# Altium PCB GameBoard_V1I1.PcbDoc (part 17 of 22) (continued)
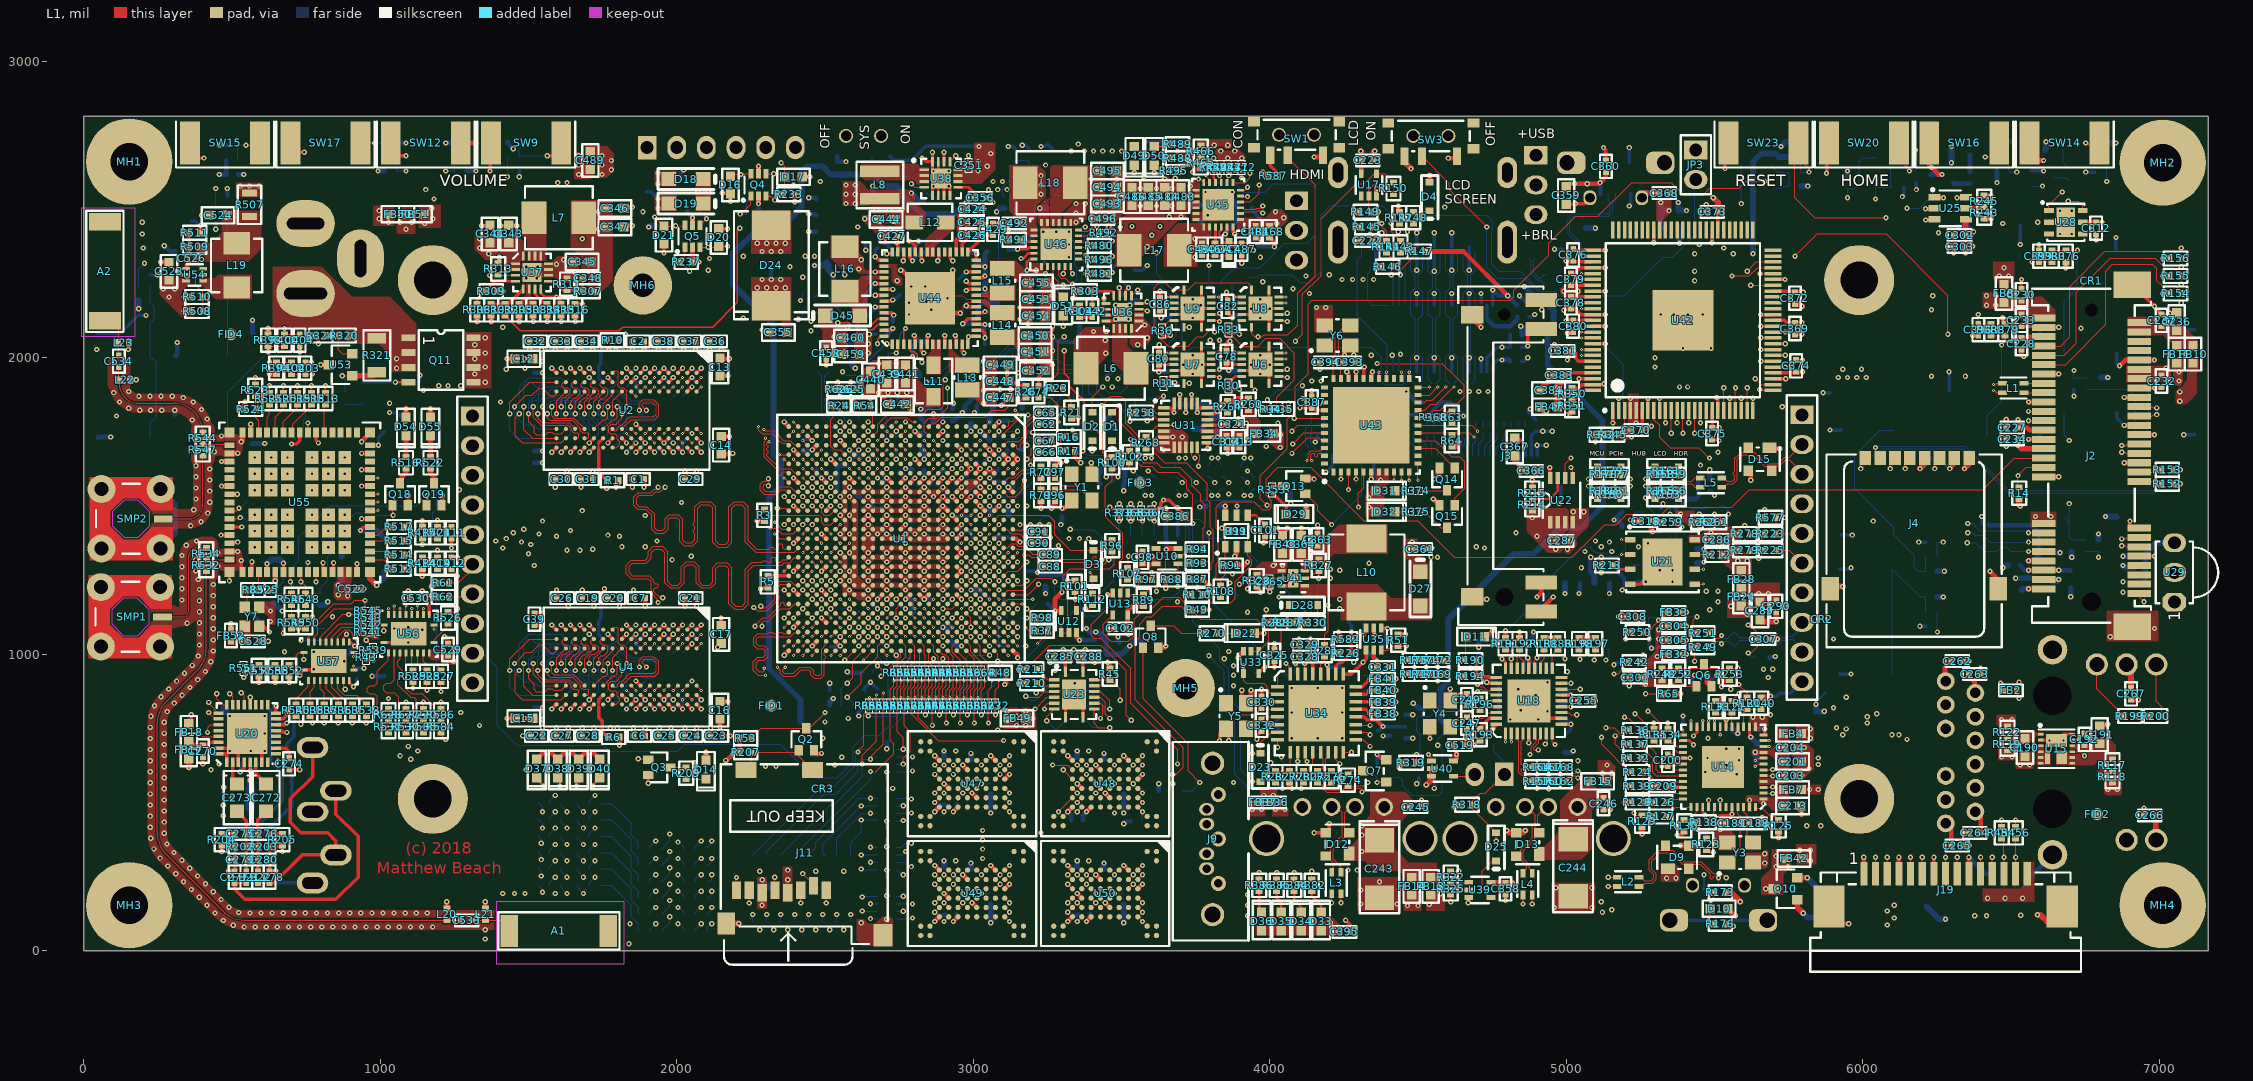
[diagram p0: L1 view]
## Nets (pads, with @x,y where several pads share a name; then routed paths per layer and width w, separated by ;. In a path a pad name is that pad's centre, name@x,y a point inside that pad or via, vN(x,y) a via of type N, cw(c..) or ccw(c..) an arc to the next point about the centre after c; other vN are vias at no path point) (continued)
  L11 w3.15: v6(4578.74,1734.94) v5(4578.74,1783.46)
  L12 w3.15: R344.1@4578.74,1766.34 v5(4578.74,1783.46)
QE5: R346.1 U42.25 | length 1905.4
  L1 w3.15: U42.25@5629.92,1821.85 v2(5629.92,1863.19)
  L10 w3.15: v6(4555.12,1734.94) 4555.12,1710.01 4610.6,1654.53 4914.89,1654.53 4983.27,1722.91 4983.27,1769.48 5014.76,1800.97 5014.76,1831.69 5033.46,1850.39 5142.72,1850.39 5156.5,1864.17 5156.5,1906.5 5162.4,1912.4 5175.2,1912.4 5181.1,1906.5 5181.1,1880.91 5187.01,1875 5198.82,1875 5204.72,1880.91 5204.72,1908.46 5211.61,1915.35 5230.31,1915.35 5236.22,1909.45 5236.22,1849.72 5242.13,1843.81 5253.94,1843.81 5259.84,1849.72 5259.84,1906.5 5265.75,1912.4 5324.8,1912.4 5330.71,1906.5 5330.71,1894.69 5324.8,1888.78 5304.13,1888.78 5296.26,1880.91 5296.26,1849.41 5307.09,1838.58 5337.97,1838.58 5343.87,1844.49 5343.87,1875.8 5349.78,1881.7 5361.59,1881.7 5367.49,1875.8 5367.49,1844.49 5373.4,1838.58 5385.21,1838.58 5391.11,1844.49 5391.11,1872.05 5397.02,1877.95 5408.83,1877.95 5414.74,1872.05 5414.74,1844.49 5420.64,1838.58 5450.17,1838.58 5486.59,1802.17 5580.34,1802.17 5629.92,1851.74 v2(5629.92,1863.19)
  L11 w3.15: v6(4555.12,1734.94) v5(4555.12,1783.46)
  L12 w3.15: R346.1@4555.12,1766.34 v5(4555.12,1783.46)
QE6: R347.1 U42.26 | length 1902
  L1 w3.15: v2(5652.56,1892.72) 5655.51,1889.76 U42.26@5697.83,1889.76
  L10 w3.15: v6(4531.5,1734.94) 4531.5,1722.5 4608.32,1645.67 4813.76,1645.67 4836.4,1623.03 4853.35,1623.03 4875.99,1645.67 4917.17,1645.67 4996.06,1724.57 4996.06,1771.14 5022.64,1797.71 5022.64,1824.8 5038.39,1840.55 5080.71,1840.55 5086.61,1834.65 5086.61,1813.35 5092.52,1807.44 5104.33,1807.44 5110.24,1813.35 5110.24,1834.65 5116.14,1840.55 5131.89,1840.55 5137.8,1834.65 5137.8,1809.05 5143.7,1803.15 5155.51,1803.15 5161.42,1809.05 5161.42,1841.54 5167.32,1847.44 5179.13,1847.44 5185.04,1841.54 5185.04,1809.05 5190.94,1803.15 5202.76,1803.15 5208.66,1809.05 5208.66,1841.54 5214.57,1847.44 5226.38,1847.44 5232.28,1841.54 5232.28,1809.05 5238.19,1803.15 5250,1803.15 5255.91,1809.05 5255.91,1834.65 5261.81,1840.55 5277.56,1840.55 5284.45,1833.66 5284.45,1810.04 5291.34,1803.15 5328.74,1803.15 5334.65,1809.06 5334.65,1825.24 5340.55,1831.15 5352.36,1831.15 5358.27,1825.24 5358.27,1809.06 5364.17,1803.15 5375.98,1803.15 5381.89,1809.06 5381.89,1825.24 5387.8,1831.15 5399.61,1831.15 5405.51,1825.24 5405.51,1809.06 5411.42,1803.15 5423.23,1803.15 5429.13,1809.06 5429.13,1824.8 5435.04,1830.71 5446.85,1830.71 5452.76,1824.8 5452.76,1809.06 5458.66,1803.15 5474.47,1803.15 5486.28,1791.34 5580.65,1791.34 5652.56,1863.25 v2(5652.56,1892.72)
  L11 w3.15: v6(4531.5,1734.94) v5(4531.5,1783.46)
  L12 w3.15: R347.1@4531.5,1766.34 v5(4531.5,1783.46)
QE7: R349.1 U42.27 | length 1902
  L1 w3.15: v2(5637.8,1929.13) 5657.48,1909.45 U42.27@5697.83,1909.45
  L10 w3.15: v6(4507.87,1734.94) 4605.02,1637.8 4810.5,1637.8 4833.14,1615.16 4856.61,1615.16 4879.25,1637.8 4920.43,1637.8 5008.86,1726.23 5049.06,1726.23 5055.12,1732.28 5055.12,1744.09 5049.21,1750 5014.76,1750 5008.86,1755.91 5008.86,1769.69 5034.45,1795.28 5062.99,1795.28 5068.9,1789.37 5068.9,1748.03 5074.8,1742.12 5086.61,1742.12 5092.52,1748.03 5092.52,1789.37 5098.43,1795.28 5110.24,1795.28 5116.14,1789.37 5116.14,1746.84 5122.05,1740.93 5133.86,1740.93 5139.76,1746.84 5139.76,1789.37 5145.67,1795.28 5471.21,1795.28 5486.95,1779.53 5557.09,1779.53 5562.99,1773.62 5562.99,1749.97 5568.9,1744.06 5580.71,1744.06 5586.61,1749.97 5586.61,1773.62 5592.52,1779.53 5606.3,1779.53 5667.32,1840.55 5667.32,1899.61 v2(5637.8,1929.13)
  L11 w3.15: v6(4507.87,1734.94) v5(4507.87,1783.46)
  L12 w3.15: R349.1@4507.87,1766.34 v5(4507.87,1783.46)
QHSYNC: R363.1 U42.48 | length 1902
  L1 w3.15: v1(5610.24,2291.34) 5641.73,2322.83 U42.48@5697.83,2322.83
  L10 w3.15: v6(4283.46,1761.22) 4296.85,1774.61 4564.81,1774.61 4574.65,1764.76 4674.89,1764.76 4693.59,1783.46 4759.84,1783.46 4822.83,1846.46 4822.83,1866.14 4831.69,1875 4831.69,2112.41 4854.33,2135.05 4854.33,2153.54 4973.43,2272.64 5145.67,2272.64 5170.28,2297.24 5406.29,2297.24 5426.96,2276.57 5445.87,2276.57 5460.63,2291.34 5531.5,2291.34 5539.37,2283.46 5539.37,2267.72 5546.26,2260.83 5579.72,2260.83 v1(5610.24,2291.34)
  L11 w3.15: v5(4271.65,1773.03) v6(4283.46,1761.22)
  L12 w3.15: R363.1@4271.65,1755.91 v5(4271.65,1773.03)
QODCK: R362.1 U42.44 | length 1907.1
  L1 w3.15: v1(5622.05,2244.09) U42.44@5697.83,2244.09
  L10 w3.15: v6(4307.09,1761.22) 4316.34,1751.97 4331.69,1751.97 4338.93,1759.2 4355.95,1759.2 4363.19,1751.97 4689.62,1751.97 4711.27,1773.62 4765.75,1773.62 4830.71,1838.58 4830.71,1854.33 4842.52,1866.14 4842.52,2062.99 4866.14,2086.61 4866.14,2147.64 4981.3,2262.8 5398.93,2262.8 5417.63,2244.09 5446.85,2244.09 5452.76,2250 5452.76,2266.36 5458.66,2272.26 5470.47,2272.26 5476.38,2266.36 5476.38,2251.97 5482.28,2246.06 5494.09,2246.06 5500,2251.97 5500,2271.65 5505.91,2277.56 5517.72,2277.56 5523.62,2271.65 5523.62,2250 5529.53,2244.09 v1(5622.05,2244.09)
  L11 w3.15: v5@4295.28,1771.65 v5(4295.28,1773.03) v6(4307.09,1761.22)
  L12 w3.15: R362.1@4295.28,1755.91 v5(4295.28,1773.03)
QR0: R352.1 U42.30 | length 1914.2
  L1 w3.15: U42.30@5697.83,1968.5 v2(5739.17,1968.5)
  L10 w3.15: v6(4862.2,1734.94) 4862.2,1756.06 4918.31,1812.16 4918.31,1841.54 4935.04,1858.27 4935.04,1891.73 4920.28,1906.5 4920.28,1926.18 4937.99,1943.9 4937.99,2050.2 4948.82,2061.02 4967.52,2061.02 4992.13,2036.42 5061.02,2036.42 5067.91,2043.31 5067.91,2080.71 5073.82,2086.61 5086.61,2086.61 5092.52,2080.71 5092.52,2043.31 5099.72,2036.11 5109.93,2036.11 5116.14,2042.32 5116.14,2079.72 5123.03,2086.61 5141.73,2086.61 5153.54,2098.43 5299.21,2098.43 5309.06,2088.58 5320.87,2088.58 5326.77,2094.49 5326.77,2123.39 5332.68,2129.29 5344.49,2129.29 5350.39,2123.39 5350.39,2094.49 5356.3,2088.58 5368.11,2088.58 5374.02,2094.49 5374.02,2123.39 5379.92,2129.29 5391.73,2129.29 5397.64,2123.39 5397.64,2094.49 5403.54,2088.58 5415.35,2088.58 5421.26,2094.49 5421.26,2123.39 5427.17,2129.29 5438.98,2129.29 5444.88,2123.39 5444.88,2094.49 5450.79,2088.58 5462.6,2088.58 5472.44,2098.43 5560.04,2098.43 5579.72,2078.74 5579.72,2048.23 5618.11,2009.84 5618.11,1996.06 5645.67,1968.5 5645.67,1942.14 5651.57,1936.23 5663.39,1936.23 5669.29,1942.14 5669.29,1980.83 5675.2,1986.73 5687.01,1986.73 5692.91,1980.83 5692.91,1914.41 5698.82,1908.5 5710.63,1908.5 5716.54,1914.41 5716.54,1962.6 5722.44,1968.5 v2(5739.17,1968.5) ; 4918.46,1828.12 4918.46,1839.93
  L11 w3.15: v6(4862.2,1734.94) v5(4862.2,1783.46)
  L12 w3.15: R352.1@4862.21,1766.34 v5(4862.2,1783.46)
QR1: R354.1 U42.31 | length 1906.5
  L1 w3.15: v2(5656.5,1988.19) U42.31@5697.83,1988.19
  L10 w3.15: v6(4838.58,1734.94) 4838.58,1743.58 4909.45,1814.44 4909.45,1931.1 4927.17,1948.82 4927.17,2052.99 4945.87,2071.69 4964.98,2071.69 4992.7,2099.41 5011.81,2099.41 5020.67,2090.55 5020.67,2055.12 5026.57,2049.21 5038.39,2049.21 5044.29,2055.12 5044.29,2096.46 5050.2,2102.36 5103.35,2102.36 5127.46,2126.48 5138.29,2126.48 5146.65,2134.84 5167.32,2134.84 5173.23,2128.94 5173.23,2118.31 5181.1,2110.44 5190.95,2110.44 5196.85,2116.34 5196.85,2160.43 5202.76,2166.34 5214.57,2166.34 5220.47,2160.43 5220.47,2116.34 5226.38,2110.44 5238.19,2110.44 5244.09,2116.34 5244.09,2160.43 5250,2166.34 5261.81,2166.34 5267.72,2160.43 5267.72,2116.34 5273.62,2110.44 5285.43,2110.44 5291.34,2116.34 5291.34,2153.54 5300.2,2162.4 5327.76,2162.4 5334.65,2155.51 5349.41,2155.51 5356.3,2162.4 5372.05,2162.4 5378.94,2155.51 5393.7,2155.51 5400.59,2162.4 5418.31,2162.4 5425.2,2155.51 5443.9,2155.51 5450.79,2162.4 5467.52,2162.4 5480.32,2149.61 5480.32,2116.34 5486.22,2110.44 5498.03,2110.44 5503.94,2116.34 5503.94,2160.43 5509.84,2166.34 5521.65,2166.34 5527.56,2160.43 5527.56,2116.34 5533.46,2110.44 5545.28,2110.44 5551.18,2116.34 5551.18,2160.43 5557.09,2166.34 5570.56,2166.34 5590.55,2146.34 5590.55,2128.94 5582.68,2121.06 5582.68,2108.27 5590.55,2100.39 5590.55,2054.44 5656.5,1988.5 v2(5656.5,1988.19)
  L11 w3.15: v6(4838.58,1734.94) v5(4838.58,1783.46)
  L12 w3.15: R354.1@4838.58,1766.34 v5(4838.58,1783.46)
QR2: R355.1 U42.32 | length 1904.8
  L1 w3.15: U42.32@5697.83,2007.87 v2(5739.17,2007.87)
  L10 w3.15: v6(4814.96,1734.94) 4818.14,1734.94 4900.59,1817.39 4900.59,1937.99 4919.29,1956.69 4919.29,2056.25 4973.27,2110.24 5042.32,2110.24 5052.17,2120.08 5081.69,2120.08 5123.03,2161.42 5184.06,2161.42 5196.85,2174.21 5573.82,2174.21 5598.43,2149.61 5598.43,2062.99 5658.46,2002.95 5700.79,2002.95 5725.39,2027.56 5744.09,2027.56 5775.59,2059.06 5775.59,2090.55 5783.46,2098.43 5818.9,2098.43 5830.71,2086.61 5830.71,2049.21 5824.8,2043.31 5790.35,2043.31 5784.45,2037.4 5784.45,2025.59 5790.35,2019.68 5824.8,2019.68 5830.71,2013.78 5830.71,1988.19 5818.9,1976.38 5770.67,1976.38 v2(5739.17,2007.87)
  L11 w3.15: v6(4814.96,1734.94) v5(4814.96,1783.46)
  L12 w3.15: R355.1@4814.96,1766.34 v5(4814.96,1783.46)
QR3: R356.1 U42.33 | length 1902
  L1 w3.15: v2(5656.5,2027.56) U42.33@5697.83,2027.56
  L10 w3.15: v6(4791.34,1734.94) 4803.44,1747.05 4819.11,1747.05 4892.72,1820.66 4892.72,1949.86 4911.42,1968.56 4911.42,2066.93 4988.19,2143.7 5015.75,2143.7 5021.65,2137.8 5021.65,2130.99 5027.56,2125.09 5039.37,2125.09 5045.28,2130.99 5045.28,2137.8 5051.18,2143.7 5087.6,2143.7 5114.17,2170.28 5157.48,2170.28 5165.35,2178.15 5165.35,2214.72 5171.1,2220.47 5187.01,2220.47 5192.91,2214.57 5192.91,2190.48 5198.82,2184.57 5210.63,2184.57 5216.54,2190.48 5216.54,2214.57 5222.44,2220.47 5234.25,2220.47 5240.16,2214.57 5240.16,2190.48 5246.06,2184.57 5257.87,2184.57 5263.78,2190.48 5263.78,2214.57 5269.69,2220.47 5281.5,2220.47 5287.4,2214.57 5287.4,2190.48 5293.31,2184.57 5305.12,2184.57 5311.02,2190.48 5311.02,2214.57 5316.93,2220.47 5328.74,2220.47 5334.65,2214.57 5334.65,2190.48 5340.55,2184.57 5352.36,2184.57 5358.27,2190.48 5358.27,2214.57 5364.17,2220.47 5377.95,2220.47 5385.83,2212.6 5385.83,2192.91 5393.7,2185.04 5425.2,2185.04 5437.01,2196.85 5449.8,2196.85 5460.63,2186.02 5477.36,2186.02 5488.19,2196.85 5503.94,2196.85 5515.75,2185.04 5531.5,2185.04 5539.37,2192.91 5562.99,2192.91 5569.88,2186.02 5587.6,2186.02 5598.43,2196.85 5669.29,2196.85 5677.17,2188.98 5677.17,2177.17 5669.29,2169.29 5622.05,2169.29 5606.3,2153.54 5606.3,2077.76 v2(5656.5,2027.56)
  L11 w3.15: v6(4791.34,1734.94) v5(4791.34,1783.46)
  L12 w3.15: R356.1@4791.34,1766.34 v5(4791.34,1783.46)
QR4: R357.1 U42.34 | length 1906.6
  L1 w3.15: U42.34@5697.83,2047.24 v2(5739.17,2047.24)
  L10 w3.15: v6(4767.72,1734.94) 4774.64,1734.94 4794.62,1754.92 4815.85,1754.92 4863.19,1802.26 4863.19,1833.16 4883.86,1853.83 4883.86,1868.11 4877.95,1874.02 4877.95,1882.87 4883.86,1888.78 4883.86,1903.54 4877.95,1909.45 4877.95,1946.23 4903.54,1971.82 4903.54,2080.71 4972.44,2149.61 4972.44,2166.34 4984.25,2178.15 5017.72,2178.15 5023.62,2172.24 5023.62,2156.64 5029.53,2150.73 5041.34,2150.73 5047.24,2156.64 5047.24,2172.24 5053.15,2178.15 5117.64,2178.15 5167.84,2228.35 5381.21,2228.35 5403.85,2205.71 5647.64,2205.71 5666.34,2224.41 5681.1,2224.41 5688.98,2216.54 5688.98,2173.23 5696.85,2165.35 5728.35,2165.35 5736.22,2157.48 5736.22,2144.99 5729.02,2137.8 5684.26,2137.8 5661.63,2160.43 5625,2160.43 5614.17,2149.61 5614.17,2086.61 5654.53,2046.26 5738.19,2046.26 v2(5739.17,2047.24)
  L11 w3.15: v6(4767.72,1734.94) v5(4767.72,1783.46)
  L12 w3.15: R357.1@4767.72,1766.34 v5(4767.72,1783.46)
QR5: R358.1 U42.35 | length 1902
  L1 w3.15: v2(5656.5,2066.93) U42.35@5697.83,2066.93
  L10 w3.15: v6(4744.09,1734.94) 4750.98,1734.94 4763.08,1747.05 4775.61,1747.05 4791.35,1762.8 4812.58,1762.8 4855.31,1805.53 4855.31,1839.28 4870.08,1854.04 4870.08,1949.49 4895.67,1975.08 4895.67,2096.61 4947.83,2148.78 4947.83,2164.37 4972.44,2188.98 4999.02,2188.98 5004.92,2194.88 5004.92,2209.6 5010.83,2215.5 5022.64,2215.5 5028.54,2209.6 5028.54,2194.88 5034.45,2188.98 5117.34,2188.98 5164.58,2236.22 5384.48,2236.22 5407.11,2213.58 5642.72,2213.58 5665.35,2236.22 5692.91,2236.22 5700.79,2228.35 5700.79,2190.94 5706.69,2185.04 5718.5,2185.04 5724.41,2190.94 5724.41,2228.35 5732.28,2236.22 5744.09,2236.22 5751.97,2228.35 5751.97,2149.61 5732.28,2129.92 5641.73,2129.92 5629.92,2118.11 5629.92,2093.5 v2(5656.5,2066.93)
  L11 w3.15: v6(4744.09,1734.94) v5(4744.09,1783.46)
  L12 w3.15: R358.1@4744.1,1766.34 v5(4744.09,1783.46)
QR6: R359.1 U42.36 | length 1904.3
  L1 w3.15: U42.36@5697.83,2086.61 v2(5739.17,2086.61)
  L10 w3.15: v6(4720.47,1734.94) 4740.45,1754.92 4772.34,1754.92 4788.09,1770.67 4809.32,1770.67 4847.44,1808.79 4847.44,1842.54 4862.2,1857.31 4862.2,1952.76 4887.8,1978.35 4887.8,2099.88 4939.96,2152.04 4939.96,2193.12 4990.93,2244.09 5387.74,2244.09 5410.38,2221.46 5637.3,2221.46 5664.86,2249.02 5747.05,2249.02 5763.78,2232.28 5763.78,2141.73 5744.09,2122.05 5649.61,2122.05 5641.73,2114.17 5641.73,2094.49 5649.61,2086.61 v2(5739.17,2086.61)
  L11 w3.15: v6(4720.47,1734.94) v5(4720.47,1783.46)
  L12 w3.15: R359.1@4720.47,1766.34 v5(4720.47,1783.46)
QR7: R360.1 U42.37 | length 1904
  L1 w3.15: v2(5656.5,2106.3) U42.37@5697.83,2106.3
  L10 w3.15: v6(4696.85,1734.94) 4724.7,1762.8 4769.08,1762.8 4784.83,1778.54 4806.06,1778.54 4839.57,1812.05 4839.57,1845.8 4854.33,1860.57 4854.33,2047.24 4878.63,2071.54 4878.63,2101.84 4932.09,2155.3 4932.09,2196.38 4987.67,2251.97 5391,2251.97 5413.64,2229.33 5630.91,2229.33 5703.74,2302.17 5762.8,2302.17 5775.59,2289.37 5775.59,2129.92 5751.97,2106.3 v2(5656.5,2106.3)
  L11 w3.15: v6(4696.85,1734.94) v5(4696.85,1783.46)
  L12 w3.15: R360.1@4696.85,1766.34 v5(4696.85,1783.46)
QVSYNC: R364.1 U42.47 | length 1902.7
  L1 w3.15: v1(5559.06,2275.59) 5618.11,2275.59 5645.67,2303.15 U42.47@5697.83,2303.15
  L10 w3.15: v6(4259.84,1761.22) 4281.1,1782.48 4568.07,1782.48 4577.91,1772.64 4671.63,1772.64 4690.33,1791.34 4756.58,1791.34 4814.96,1849.72 4814.96,1870.08 4822.83,1877.95 4822.83,2114.69 4846.46,2138.31 4846.46,2156.8 4970.16,2280.51 5141.27,2280.51 5166.86,2306.1 5548.23,2306.1 5559.06,2295.28 v1(5559.06,2275.59)
  L11 w3.15: v5(4248.03,1773.03) v6(4259.84,1761.22)
  L12 w3.15: R364.1@4248.03,1755.91 v5(4248.03,1773.03)
REGN1: C487.1 D47.2 R477.2 R478.2 R494.2 U45.22 | length 1567.6
  L1 w7.87: U45.22@3836.61,2440.94 3836.61,2431.1 3830.71,2425.2 3830.71,2405.51 3848.43,2387.8 D47.2@3862.2,2387.8 3903.54,2387.8 C487.1@3905.51,2385.83 3921.26,2385.83 v1(3944.88,2362.2)
  L3 w3.15: v1@3299.21,2244.09 v1(3303.15,2244.09) 3318.9,2259.84 3318.9,2289.37 3336.61,2307.09 3392.72,2307.09 3424.21,2338.58 3440.94,2338.58 3459.65,2357.28 3515.75,2357.28 3535.43,2337.6 3640.75,2337.6 3665.35,2362.2 3719.28,2362.2 3741.92,2384.84 3754.15,2384.84 3776.78,2362.2 v1(3944.88,2362.2)
  L12 w3.15: R478.2@3188.98,2582.68 R477.2@3141.73,2582.68 3141.73,2484.25 3086.61,2429.13 3086.61,2279.53 3137.8,2228.35 3287.4,2228.35 v1(3303.15,2244.09) 3282.48,2264.76 R494.2@3278.54,2264.76
REGN2: C497.1 D53.2 U46.22 | length 154.1
  L1 w8.66: v1(3149.61,2366.14) 3183.07,2366.14 3188.98,2372.05 U46.22@3204.72,2372.05
  L12 w15.75: D53.2@3118.11,2364.17 3147.64,2364.17 v1(3149.61,2366.14) 3181.1,2397.64 C497.1@3200.79,2397.64
RGMII_INT: R38.2 R130.1 TP10.1 U1.W22 U14.38 | length 4334.2
  L1 w3.15: U1.W22@2566.93,1106.3 v2(2582.68,1122.05) ; v1(5374.02,421.26) 5393.7,440.94 R130.1@5397.64,440.94 5413.39,440.94 5440.95,468.5 U14.38@5440.95,484.25
  L3 w3.15: v2(2582.68,1122.05) 2598.43,1137.8 2598.43,1155.26 2614.31,1171.14 2614.31,1196.64 2622.68,1205 2622.68,1217.17 2637.8,1232.28 2653.54,1232.28 2674.21,1252.95 2674.21,1268.7 2699.8,1294.29 2712.81,1294.29 2726.35,1307.84 2726.35,1322.83 2748.03,1344.51 2748.03,1371.27 2766.52,1389.76 2839.78,1389.76 2850.39,1400.38 2850.39,1473.64 2892.51,1515.75 2905.51,1515.75 2912.4,1522.64 2912.4,1538.39 2953.74,1579.73 3029.74,1579.73 3038.39,1588.37 3038.39,1600.39 3047.24,1609.25 3095.47,1609.25 3165.35,1539.37 3191.62,1539.37 3211.31,1519.69 3330.71,1519.69 3366.14,1484.25 3407.48,1484.25 3494.09,1397.64 3711.61,1397.64 3722.44,1386.81 3804.65,1386.81 3820.4,1402.56 3950.32,1402.56 3957.21,1409.45 4003.57,1409.45 4011.44,1401.57 4059.06,1401.57 4082.68,1377.95 4393.7,1377.95 4437.01,1421.26 4547.92,1421.26 4638.47,1330.71 5001.97,1330.71 5043.31,1372.05 5080.71,1372.05 5090.55,1362.2 v1(5118.11,1362.2)
  L10 w3.15: v1(5118.11,1362.2) 5118.11,1361.01 5389.76,1089.36 5389.76,904.53 5408.46,885.83 5408.46,770.67 5393.7,755.91 5393.7,440.94 v1(5374.02,421.26)
  L12 w3.15: R38.2@2551.18,1118.11 2578.74,1118.11 v2(2582.68,1122.05) ; v1(5374.02,421.26) 5393.7,401.57 TP10.1@5413.39,401.57
RGMII_INT_R: R38.1 U1.V21 | length 55.4
  L1 w3.15: v2(2582.68,1153.54) U1.V21@2598.43,1137.8
  L12 w3.15: R38.1@2551.18,1157.48 2555.12,1153.54 v2(2582.68,1153.54)
RGMII_MDC: R126.1 R128.1 U1.V20 | length 4188.1
  L1 w3.15: v3(2582.68,1185.04) U1.V20@2598.43,1169.29 ; v1(5259.84,527.56) R128.1@5259.84,500 R126.1@5299.21,500
  L3 w3.15: v4(2594.49,1173.23) 2594.49,1187.76 2607.52,1200.79 2607.42,1230.67 2639.55,1262.8 2649.82,1262.8 2660.43,1273.41 2660.43,1283.67 2703.53,1326.77 2713.79,1326.77 2736.22,1349.2 2736.22,1381.89 2756.89,1402.56 2756.89,1414.37 2764.76,1422.24 2809.05,1422.24 2819.88,1433.07 2819.88,1537.61 2830.5,1548.23 2903.75,1548.23 2945.87,1590.34 2945.87,1600.6 2954.52,1609.25 3027.77,1609.25 3039.37,1620.85 3039.37,1631.12 3049.99,1641.73 3078.74,1641.73 3173.23,1547.24 3194.88,1547.24 3214.57,1527.56 3333.97,1527.56 3369.4,1492.13 3412.71,1492.13 3499.32,1405.51 3714.88,1405.51 3725.7,1394.68 3801.39,1394.68 3817.14,1410.43 3844.7,1410.43 3851.59,1417.32 3927.94,1417.32 3934.83,1410.43 3947.06,1410.43 3954.93,1418.31 4009.84,1418.31 4018.7,1409.45 4064.23,1409.45 4087.85,1385.83 4383.92,1385.83 4431.16,1433.07 4547.24,1433.07 4636.81,1343.5 4926.18,1343.5 4952.76,1370.08 5023.62,1370.08 5035.43,1381.89 v1(5098.43,1381.89)
  L10 w3.15: v1@5098.43,1385.83 v1(5098.43,1381.89) 5098.43,1274.4 5171.05,1201.77 5244.46,1201.77 5357.28,1088.95 5357.28,691.93 5259.84,594.49 v1(5259.84,527.56)
  L2 w3.15: v3(2582.68,1185.04) v4(2594.49,1173.23)
RGMII_MDIO: R127.1 R129.1 U1.V23 | length 4096.4
  L1 w3.15: v3(2582.68,1059.06) U1.V23@2598.43,1074.8 ; v1(5228.35,464.57) 5236.22,456.69 R129.1@5255.91,456.69 5295.28,456.69 R127.1@5299.21,452.76
  L3 w3.15: v4(2594.49,1070.87) 2594.49,1081.48 2597.44,1084.44 2597.44,1101.38 2618.11,1122.05 2618.11,1133.86 2662.4,1178.15 2662.4,1191.15 2702.55,1231.3 2716.23,1231.3 2724.41,1239.48 2724.41,1259.84 2749.02,1284.45 2749.02,1309.26 2767.51,1327.76 2788.39,1327.76 2818.9,1358.27 2852.36,1358.27 2882.87,1388.78 2882.87,1411.63 2892.51,1421.26 2913.39,1421.26 2947.13,1455 2945.87,1456.26 2945.87,1506.12 2954.51,1514.76 3187.22,1514.76 3195.87,1506.12 3195.87,1493.11 3212.6,1476.38 3346.46,1476.38 3362.2,1460.63 3403.6,1460.63 3490.22,1374.02 3693.9,1374.02 3700.79,1367.13 3816.93,1367.13 3829.72,1379.92 3959.65,1379.92 3970.47,1390.75 3989.17,1390.75 4001.97,1377.95 4051.18,1377.95 4074.8,1354.33 4409.45,1354.33 4447.83,1392.72 4533.67,1392.72 4623.24,1303.15 5019.69,1303.15 v1(5062.99,1346.46)
  L10 w3.15: v1(5062.99,1346.46) 5062.99,1307.09 5082.68,1287.4 5082.68,1236.22 5161.42,1157.48 5220.47,1157.48 5295.28,1082.68 5295.28,1042.32 5321.85,1015.75 5321.85,707.28 5232.91,618.33 5232.91,469.13 v1(5228.35,464.57)
  L2 w3.15: v3(2582.68,1059.06) v4(2594.49,1070.87)
RGMII_R_MDC: R126.2 U14.36 | length 60.2
  L1 w3.15: R126.2@5338.58,500 5350,511.42 U14.36@5394.09,511.42
RGMII_R_MDIO: R127.2 U14.37 | length 95.7
  L1 w3.15: R127.2@5338.58,452.76 5370.08,484.25 U14.37@5421.26,484.25
RGMII_R_RXCLK: R124.2 R139.2 U14.35 | length 180.3
  L1 w3.15: R139.2@5259.84,555.12 R124.2@5259.84,598.43 ; R139.2@5263.78,547.24 5279.92,531.1 U14.35@5394.09,531.1
RGMII_R_TXCLK: R37.1 U1.D21 | length 259.6
  L1 w3.15: U1.D21@3039.37,1137.8 v3(3055.12,1122.05) ; v3(3177.17,1090.55) v4(3188.98,1078.74) R37.1@3212.6,1078.74
  L3 w3.15: v4(3043.31,1110.24) 3054.13,1099.41 3095.99,1099.41 3101.9,1105.32 3162.4,1105.32 v4(3188.98,1078.74)
  L2 w3.15: v4(3043.31,1110.24) v3(3055.12,1122.05) ; v3(3177.17,1090.55) v4(3188.98,1078.74)
RGMII_RSTn: D3.2 R112.1 R131.1 U14.42 | length 3501.2
  L1 w3.15: v3(3393.7,1275.59) 3401.57,1267.72 R112.1@3401.57,1204.72 ; U14.42@5519.69,484.25 v1(5519.69,507.87)
  L3 w3.15: v4(3393.7,1295.28) 3398.62,1290.35 3812.01,1290.35 3830.71,1271.65 3853.14,1271.65 3877.74,1296.26 3931.31,1296.26 3938.2,1303.15 3980.31,1303.15 4000,1283.46 4049.99,1283.46 4073.61,1259.84 4133.86,1259.84 4152.56,1241.14 4214.78,1241.14 4234.46,1260.83 4257.87,1260.83 4280.51,1283.46 5043.31,1283.46 v1(5051.18,1291.34)
  L10 w3.15: v1(5051.18,1291.34) 5066.93,1275.59 5066.93,1141.73 5122.05,1086.61 5200.79,1086.61 5236.22,1051.18 5236.22,961.46 5290.35,907.33 5290.35,786.42 5225.03,721.09 5225.03,658.1 5186.02,619.09 5186.02,550.48 5169.29,533.74 5169.29,496.06 5251.97,413.39 5291.34,413.39 5393.7,311.02 5515.75,311.02 5539.37,334.65 5539.37,464.57 5519.69,484.25 v1(5519.69,507.87)
  L2 w3.15: v3(3393.7,1275.59) v4(3393.7,1295.28)
  L12 w3.15: R131.1@5507.87,484.25 5507.87,496.06 v1(5519.69,507.87)
RGMII_RSTn_R: R112.2 U1.U21 | length 1390.1
  L1 w3.15: v3(2614.17,1122.05) U1.U21@2629.92,1137.8 ; v1(3377.95,1153.54) 3389.76,1153.54 R112.2@3401.57,1165.35
  L3 w3.15: v4(2625.98,1110.24) 2625.98,1130.6 2664.68,1169.29 2685.04,1169.29 2692.91,1177.17 2692.91,1190.17 2702.55,1199.8 2712.81,1199.8 2736.22,1223.22 2736.22,1251.97 2756.89,1272.64 2756.89,1285.64 2767.51,1296.26 2777.77,1296.26 2807.3,1325.79 2849.41,1325.79 2889.76,1366.14 2957.89,1366.14 2981.51,1342.52 v2(3023.62,1342.52)
  L10 w3.15: v2(3023.62,1342.52) 3027.56,1342.52 3040.35,1355.31 3040.35,1382.87 3062.99,1405.51 3125.98,1405.51 3129.92,1409.45 3271.65,1409.45 3283.46,1421.26 v1(3326.77,1421.26)
  L2 w3.15: v3(2614.17,1122.05) v4(2625.98,1110.24)
  L12 w3.15: v1(3326.77,1421.26) 3327.76,1420.28 3406.5,1420.28 3444.88,1381.89 3444.88,1358.94 3472.44,1331.38 3472.44,1248.03 v1(3377.95,1153.54)
RGMII_RXCLK: R124.1 U1.B25 | length 2912.1
  L1 w3.15: U1.B25@3102.36,1011.81 v3(3118.11,996.06) ; v1(5119.09,719.49) 5119.09,695.87 5212.6,602.36 R124.1@5220.47,602.36
  L3 w3.15: v4(3106.3,984.25) 3106.3,956.69 3138.78,924.21 3209.65,924.21 3220.47,913.39 3303.15,913.39 3322.83,933.07 3342,933.07 3357.75,948.82 3562.99,948.82 3633.86,1019.68 3633.86,1032.69 3644.78,1043.62 3874.38,1043.62 3932.09,985.91 3932.09,943.12 4004.15,871.06 4178.15,871.06 4209.65,902.56 4351.38,902.56 4370.08,921.26 4387.02,921.26 4400.59,934.83 4400.59,959.65 4425.2,984.25 4488.19,984.25 4500,996.06 4657.48,996.06 4676.18,977.36 4702.39,977.36 4715.18,964.57 4759.84,964.57 4818.9,905.51 4850.39,905.51 4862.2,893.7 4862.2,866.14 4854.33,858.27 4832.68,858.27 4826.77,852.36 4826.77,840.55 4832.68,834.65 4856.3,834.65 4862.2,828.74 4862.2,787.4 4893.7,755.91 4905.51,755.91 4913.39,763.78 4921.26,763.78 4927.66,757.38 4927.66,733.76 4933.07,728.34 4945.86,728.34 4951.28,733.76 4951.28,786.44 4957.19,792.34 4969,792.34 4974.9,786.44 4974.9,733.76 4980.32,728.34 4993.11,728.34 4998.52,733.76 4998.52,743.11 5004.43,749.02 5016.24,749.02 5022.15,743.11 5022.15,733.76 5027.56,728.34 5040.35,728.34 5045.77,733.76 5045.77,742.25 5051.67,748.15 5063.48,748.15 5069.39,742.25 5069.39,733.76 5074.8,728.34 5087.6,728.34 5093.01,733.76 5104.82,733.76 v1(5119.09,719.49)
  L2 w3.15: v4(3106.3,984.25) v3(3118.11,996.06)
RGMII_RXD0: R137.1 U1.C24 U14.32 | length 3084.7
  L1 w3.15: U1.C24@3070.87,1043.31 v3(3086.61,1027.56) ; v1(5133.86,751.97) 5161.42,751.97 5192.91,720.47 5232.28,720.47 5251.97,700.79 R137.1@5251.97,696.85 5251.97,688.98 5291.34,649.61 5291.34,602.36 5303.15,590.55 5373.23,590.55 5373.62,590.16 U14.32@5394.09,590.16
  L3 w3.15: v4(3074.8,1015.75) 3094.49,996.06 3111.19,996.06 3118.11,989.14 3118.11,963.37 3149.4,932.09 3256.89,932.09 3263.78,925.2 3285.14,925.2 3304.66,944.72 3342.52,944.72 3355.47,957.68 3547.71,957.68 3645.15,1055.12 3874.02,1055.12 3939.96,989.17 3939.96,957.52 3995.91,901.57 4185.04,901.57 4199.8,916.34 4309.36,916.34 4325.11,932.09 4349.41,932.09 4413.39,996.06 4476.38,996.06 4492.13,1011.81 4661.42,1011.81 4687.99,985.24 4761.6,985.24 4777.35,969.49 4811.02,969.49 4822.83,957.68 4822.83,933.07 4832.68,923.23 4857.28,923.23 4903.54,876.97 4903.75,876.97 4912.4,868.32 4912.4,868.11 4921.64,858.87 4921.64,850.52 4873.17,802.04 4873.17,793.69 4881.52,785.34 4889.87,785.34 4942.13,837.6 4950.48,837.6 4957.68,830.4 4957.68,822.83 4952.76,817.91 4952.76,810.67 4959.29,804.13 4975.48,804.13 4987.26,815.92 4995.61,815.92 5003.97,807.56 5003.97,799.21 4996.81,792.06 4996.81,783.7 5001.97,778.54 5024.61,778.54 5029.53,773.62 5038.81,773.62 5053.15,787.96 5064.96,787.96 5070.87,782.05 5070.87,753.94 5078.8,746 5089.5,746 5094.49,750.98 5094.49,770.67 5101.38,777.56 5108.27,777.56 v1(5133.86,751.97)
  L2 w3.15: v4(3074.8,1015.75) v3(3086.61,1027.56)
RGMII_RXD1: R136.1 U1.B23 U14.31 | length 3081.6
  L1 w3.15: U1.B23@3102.36,1074.8 v3(3118.11,1059.06) ; v1(5196.85,787.4) 5199.8,784.45 5211.61,784.45 R136.1@5251.97,744.09 5271.65,724.41 5271.65,696.85 5303.15,665.35 5303.15,610.24 5311.02,602.36 5362.2,602.36 5369.68,609.84 U14.31@5394.09,609.84
  L3 w3.15: v4(3106.3,1047.24) 3150.59,1002.95 3158.62,1002.95 3174.37,987.2 3196.85,987.2 3209.65,1000 3271.65,1000 3284.45,987.2 3291.34,980.31 3330.03,980.31 3337.91,988.19 3375.37,988.19 3391.11,1003.94 3554.87,1003.94 3629.67,1078.74 3883.8,1078.74 3963.58,998.96 3963.58,985.24 3976.38,972.44 4030.3,972.44 4049,953.74 4133.86,953.74 4159.45,979.33 4243.11,979.33 4255.91,992.13 4302.63,992.13 4325.27,1014.76 4375.21,1014.76 4384.07,1023.62 4429.13,1023.62 4448.82,1043.31 4664.16,1043.31 4698.61,1008.86 4729.33,1008.86 4736.22,1015.75 4894.89,1015.75 4946.08,964.57 5082.68,964.57 5093.89,953.36 5102.24,953.36 5116,967.12 5124.36,967.12 5132.71,958.77 5132.71,950.42 5114.77,932.48 5076.97,894.68 5076.97,886.33 5085.32,877.98 5093.67,877.98 5139.4,923.71 5147.75,923.71 5156.11,915.35 5156.11,907 5110.68,861.58 5110.68,853.23 5119.04,844.88 5127.39,844.88 5160.7,878.19 5169.05,878.19 5200.79,846.46 5200.79,791.34 v1(5196.85,787.4)
  L2 w3.15: v4(3106.3,1047.24) v3(3118.11,1059.06)